# Altium PCB Sayma_AMC_RFSoC.PcbDoc (part 4 of 11)
Units mm, origin at the board's own origin, x right, y up, seen from the top; angles counter-clockwise.
Board outline 180.55 x 148.45 mm, 18 copper layers (Layer 1, Layer 2, Layer 3, Layer 4, Layer 5, Layer 6, Layer 7, Layer 8, Layer 9, Layer 10, Layer 11, Layer 12, Layer 13, Layer 14, Layer 15, Layer 16, Layer 17, Layer 18), stack 4.915 mm thick; 790 components, 796 nets, 6854 pads, 16 vias.
Unrouted connection lines stored in the file: 2880.
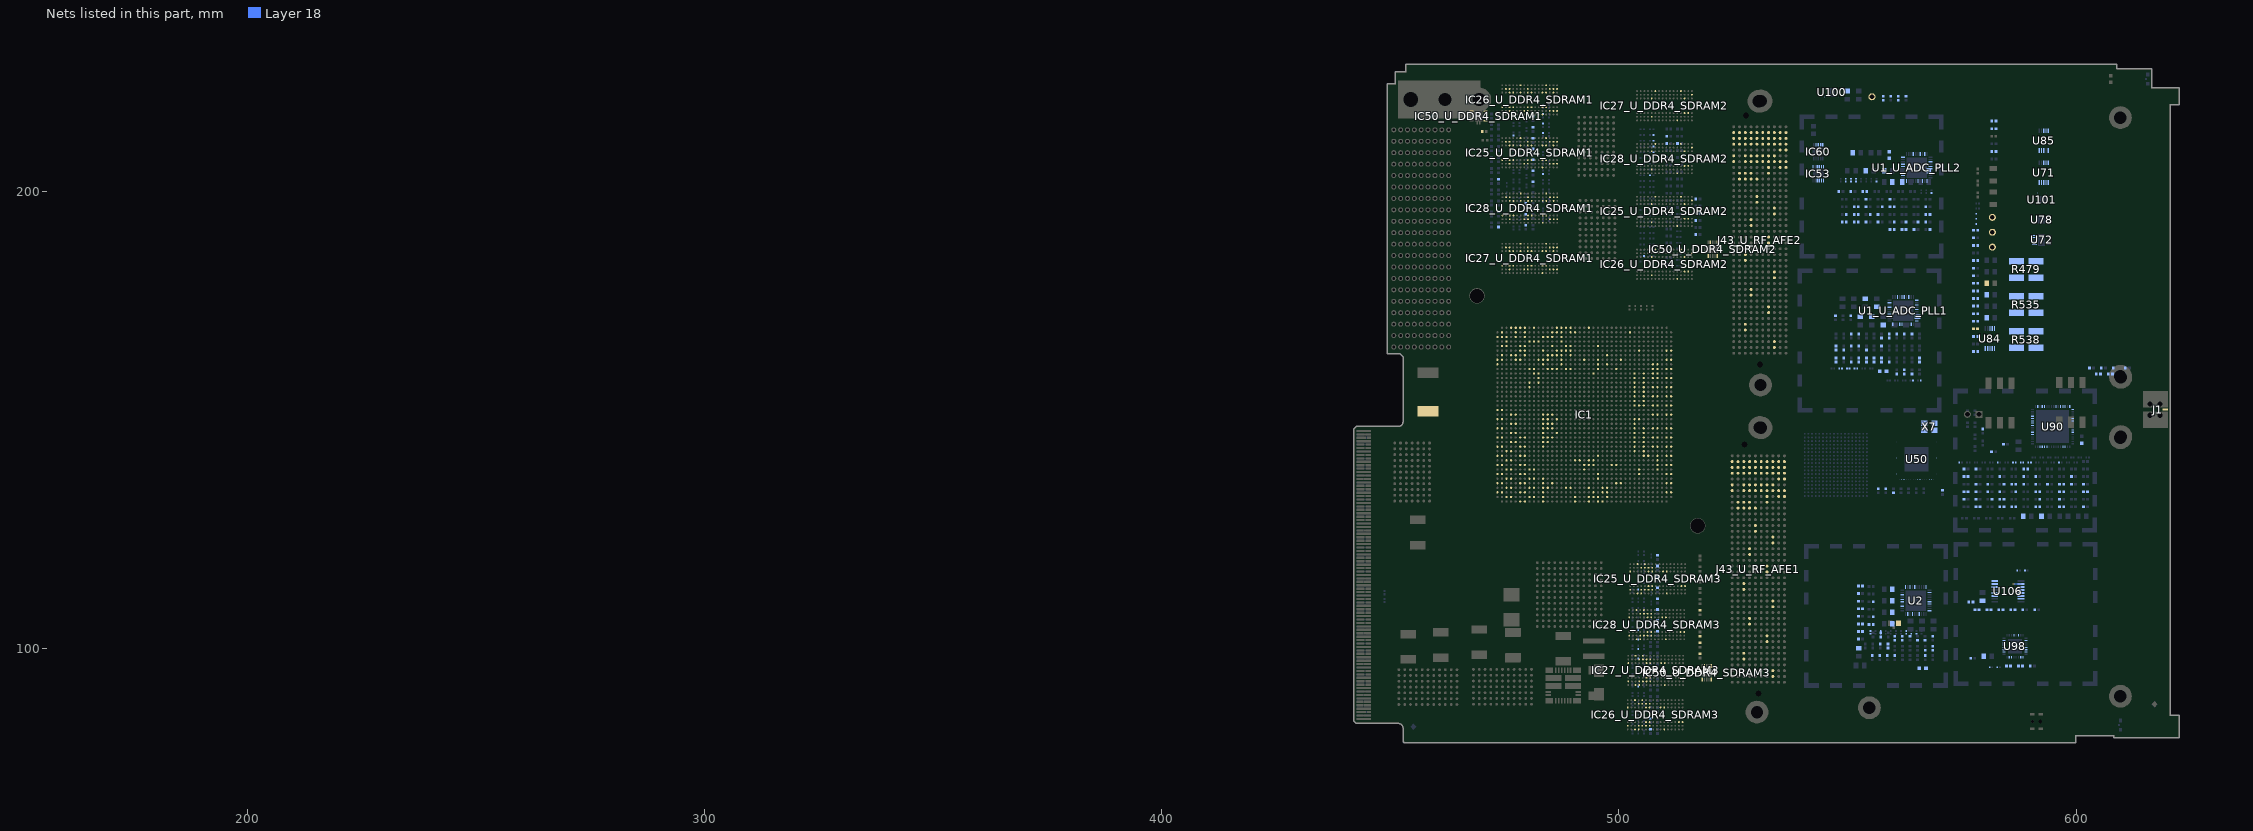
[diagram p15: the nets of this part, all layers, seen from the top]

## Part data (continued)
C108_U_DDR4_SDRAM1 C108_U_DDR4_SDRAM2 C108_U_DDR4_SDRAM3 C109_U_DDR4_SDRAM1 C109_U_DDR4_SDRAM2 C109_U_DDR4_SDRAM3 C110_U_DDR4_SDRAM1 C110_U_DDR4_SDRAM2 C110_U_DDR4_SDRAM3 C111_U_DDR4_SDRAM1 C111_U_DDR4_SDRAM2 C111_U_DDR4_SDRAM3 C112_U_DDR4_SDRAM1 C112_U_DDR4_SDRAM2 C112_U_DDR4_SDRAM3 C113_U_DDR4_SDRAM1 C113_U_DDR4_SDRAM2 C113_U_DDR4_SDRAM3 C114_U_DDR4_SDRAM1 C114_U_DDR4_SDRAM2 C114_U_DDR4_SDRAM3 C115_U_DDR4_SDRAM1 C115_U_DDR4_SDRAM2 C115_U_DDR4_SDRAM3 C116_U_DDR4_SDRAM1 C116_U_DDR4_SDRAM2 C116_U_DDR4_SDRAM3 C117_U_DDR4_SDRAM1 C117_U_DDR4_SDRAM2 C117_U_DDR4_SDRAM3 C118_U_DDR4_SDRAM1 C118_U_DDR4_SDRAM2 C118_U_DDR4_SDRAM3 C119_U_DDR4_SDRAM1 C119_U_DDR4_SDRAM2 C119_U_DDR4_SDRAM3 C120_U_DDR4_SDRAM1 C120_U_DDR4_SDRAM2 C120_U_DDR4_SDRAM3 C121_U_DDR4_SDRAM1 C121_U_DDR4_SDRAM2 C121_U_DDR4_SDRAM3 C122_U_DDR4_SDRAM1 C122_U_DDR4_SDRAM2 C122_U_DDR4_SDRAM3 C123_U_DDR4_SDRAM1 C123_U_DDR4_SDRAM2 C123_U_DDR4_SDRAM3 C124_U_DDR4_SDRAM1 C124_U_DDR4_SDRAM2 C124_U_DDR4_SDRAM3 C125_U_DDR4_SDRAM1 C125_U_DDR4_SDRAM2 C125_U_DDR4_SDRAM3 C126_U_DDR4_SDRAM1 C126_U_DDR4_SDRAM2 C126_U_DDR4_SDRAM3 C127_U_DDR4_SDRAM1 C127_U_DDR4_SDRAM2 C127_U_DDR4_SDRAM3 C128_U_DDR4_SDRAM1 C128_U_DDR4_SDRAM2 C128_U_DDR4_SDRAM3 C129_U_DDR4_SDRAM1 C129_U_DDR4_SDRAM2 C129_U_DDR4_SDRAM3 C130_U_DDR4_SDRAM1 C130_U_DDR4_SDRAM2 C130_U_DDR4_SDRAM3 C131_U_DDR4_SDRAM1 C131_U_DDR4_SDRAM2 C131_U_DDR4_SDRAM3 C132_U_DDR4_SDRAM1 C132_U_DDR4_SDRAM2 C132_U_DDR4_SDRAM3 C133_U_DDR4_SDRAM1 C133_U_DDR4_SDRAM2 C133_U_DDR4_SDRAM3 C134_U_DDR4_SDRAM1 C134_U_DDR4_SDRAM2 C134_U_DDR4_SDRAM3 C135_U_DDR4_SDRAM1 C135_U_DDR4_SDRAM2 C135_U_DDR4_SDRAM3 C136_U_DDR4_SDRAM1 C136_U_DDR4_SDRAM2 C136_U_DDR4_SDRAM3 C137_U_DDR4_SDRAM1 C137_U_DDR4_SDRAM2 C137_U_DDR4_SDRAM3 C138_U_DDR4_SDRAM1 C138_U_DDR4_SDRAM2 C138_U_DDR4_SDRAM3 C139_U_DDR4_SDRAM1 C139_U_DDR4_SDRAM2 C139_U_DDR4_SDRAM3 C140_U_DDR4_SDRAM1 C140_U_DDR4_SDRAM2 C140_U_DDR4_SDRAM3 C141_U_DDR4_SDRAM1 C141_U_DDR4_SDRAM2 C141_U_DDR4_SDRAM3 C142_U_DDR4_SDRAM1 C142_U_DDR4_SDRAM2 C142_U_DDR4_SDRAM3 C143_U_DDR4_SDRAM1 C143_U_DDR4_SDRAM2 C143_U_DDR4_SDRAM3 C144_U_DDR4_SDRAM1 C144_U_DDR4_SDRAM2 C144_U_DDR4_SDRAM3 C145_U_DDR4_SDRAM1 C145_U_DDR4_SDRAM2 C145_U_DDR4_SDRAM3 C146_U_DDR4_SDRAM1 C146_U_DDR4_SDRAM2 C146_U_DDR4_SDRAM3 C147_U_DDR4_SDRAM1 C147_U_DDR4_SDRAM2 C147_U_DDR4_SDRAM3 C148_U_DDR4_SDRAM1 C148_U_DDR4_SDRAM2 C148_U_DDR4_SDRAM3 C149_U_DDR4_SDRAM1 C149_U_DDR4_SDRAM2 C149_U_DDR4_SDRAM3 C150_U_DDR4_SDRAM1 C150_U_DDR4_SDRAM2 C150_U_DDR4_SDRAM3 C151_U_DDR4_SDRAM1 C151_U_DDR4_SDRAM2 C151_U_DDR4_SDRAM3 C152_U_DDR4_SDRAM1 C152_U_DDR4_SDRAM2 C152_U_DDR4_SDRAM3 C153_U_DDR4_SDRAM1 C153_U_DDR4_SDRAM2 C153_U_DDR4_SDRAM3 C154_U_DDR4_SDRAM1 C154_U_DDR4_SDRAM2 C154_U_DDR4_SDRAM3 C155_U_DDR4_SDRAM1 C155_U_DDR4_SDRAM2 C155_U_DDR4_SDRAM3 C156_U_DDR4_SDRAM1 C156_U_DDR4_SDRAM2 C156_U_DDR4_SDRAM3 C157_U_DDR4_SDRAM1 C157_U_DDR4_SDRAM2 C157_U_DDR4_SDRAM3 C158_U_DDR4_SDRAM1 C158_U_DDR4_SDRAM2 C158_U_DDR4_SDRAM3 C159_U_DDR4_SDRAM1 C159_U_DDR4_SDRAM2 C159_U_DDR4_SDRAM3 C160_U_DDR4_SDRAM1 C160_U_DDR4_SDRAM2 C160_U_DDR4_SDRAM3 C161_U_DDR4_SDRAM1 C161_U_DDR4_SDRAM2 C161_U_DDR4_SDRAM3 C162_U_DDR4_SDRAM1 C162_U_DDR4_SDRAM2 C162_U_DDR4_SDRAM3 C163_U_DDR4_SDRAM1 C163_U_DDR4_SDRAM2 C163_U_DDR4_SDRAM3 C164_U_DDR4_SDRAM1 C164_U_DDR4_SDRAM2 C164_U_DDR4_SDRAM3 C165_U_DDR4_SDRAM1 C165_U_DDR4_SDRAM2 C165_U_DDR4_SDRAM3 C166_U_DDR4_SDRAM1 C166_U_DDR4_SDRAM2 C166_U_DDR4_SDRAM3 C167_U_DDR4_SDRAM1 C167_U_DDR4_SDRAM2 C167_U_DDR4_SDRAM3 C168_U_DDR4_SDRAM1 C168_U_DDR4_SDRAM2 C168_U_DDR4_SDRAM3 C173_U_DDR4_SDRAM1 C173_U_DDR4_SDRAM2 C173_U_DDR4_SDRAM3 C286_U_DDR4_SDRAM1 C286_U_DDR4_SDRAM2 C286_U_DDR4_SDRAM3: library part CC0201_100NF_6.3V_10%_X5R, "Non-polarised capacitor", Case=0201, Manufacturer=GENERIC, Manufacturer1 ComponentHeight=0.33mm, Manufacturer1 Example=AVX, Manufacturer1 Part Number=02016D104KAT2A, Tolerance=±10%, Voltage=6.3V, Author="CERN DEM JLC", Component Type=Standard, CreateDate=03/12/2007, HelpURL=\\cern.ch\dfs\Applications\Altium\Datasheets\CC0201_X5R_AVX.pdf, LatestRevisionDate=03/12/2007, Manufacturer Part Number=CC0201_100NF_6.3V_10%_X5R, Mounted=Yes, Part Description="SMD Multilayer Chip Ceramic Capacitor", Part Number=CC0201_100NF_6.3V_10%_X5R, Pin Count=2, Sense=No, SMD=Yes, Socket=No, Status="Not Recommended", TC=X5R
C255_U_DDR4_SDRAM1 C255_U_DDR4_SDRAM2 C255_U_DDR4_SDRAM3 C256_U_DDR4_SDRAM1 C256_U_DDR4_SDRAM2 C256_U_DDR4_SDRAM3 C257_U_DDR4_SDRAM1 C257_U_DDR4_SDRAM2 C257_U_DDR4_SDRAM3 C258_U_DDR4_SDRAM1 C258_U_DDR4_SDRAM2 C258_U_DDR4_SDRAM3 C259_U_DDR4_SDRAM1 C259_U_DDR4_SDRAM2 C259_U_DDR4_SDRAM3 C260_U_DDR4_SDRAM1 C260_U_DDR4_SDRAM2 C260_U_DDR4_SDRAM3 C261_U_DDR4_SDRAM1 C261_U_DDR4_SDRAM2 C261_U_DDR4_SDRAM3 C494_U_DDR4_SDRAM1 C494_U_DDR4_SDRAM2 C494_U_DDR4_SDRAM3 C495_U_DDR4_SDRAM1 C495_U_DDR4_SDRAM2 C495_U_DDR4_SDRAM3 C496_U_DDR4_SDRAM1 C496_U_DDR4_SDRAM2 C496_U_DDR4_SDRAM3: library part CC0402_1UF_16V_10%_X5R, "Non-polarised capacitor", Case=0402, Manufacturer=GENERIC, Manufacturer1 ComponentHeight=0.55mm, Manufacturer1 Example=TDK, Manufacturer1 Part Number=C1005X5R1C105KT, Tolerance=±10%, Voltage=16V, Author="CERN DEM JLC", Component Type=Standard, CreateDate=25/10/2012, HelpURL=\\cern.ch\dfs\Applications\Altium\Datasheets\CC0402_X5R_TDK_C.pdf, LatestRevisionDate=25/10/2012, Manufacturer Part Number=CC0402_1UF_16V_10%_X5R, Mounted=Yes, Part Description="SMD Multilayer Chip Ceramic Capacitor", Part Number=CC0402_1UF_16V_10%_X5R, Pin Count=2, Sense=No, SMD=Yes, Socket=No, Status=Preferred, TC=X5R
C344 C345 C954 C955 C960_U_ADC_PLL1 C960_U_ADC_PLL2 C961_U_ADC_PLL1 C961_U_ADC_PLL2 C962_U_ADC_PLL1 C962_U_ADC_PLL2 C963_U_ADC_PLL1 C963_U_ADC_PLL2 C964 C965 C966 C967 C968 C969 C970 C971 C972 C973 C974 C975 C976 C977 C978 C979 C980 C981 C982 C983 C984 C985 C986 C987 C988 C989 C993: library part CAP_NP, Dielectric=X5R, Tolerance=10%, Voltage=16V, Barcode=100164, Datasheet=\\XSJ-SMB\AFX\AFX\BOARD_PROJECTS\LIBRARY\\DATASHEETS\CAPACITOR\TDKMLCCCapRange.pdf, Device=0_01UF_0201, MANF=TDK, MANF_P/N=C0603X5R1C103K030BA, OWNER=3709, PartType=CERAMIC, PRICE=0, RoHS=Yes
C361 C363 C456 C572 C575 C577 C578 C606 C607 C608 C609 C636_U_ADC_PLL1 C636_U_ADC_PLL2 C638_U_ADC_PLL1 C638_U_ADC_PLL2 C639_U_ADC_PLL1 C639_U_ADC_PLL2 C643_U_ADC_PLL1 C643_U_ADC_PLL2 C645_U_ADC_PLL1 C645_U_ADC_PLL2 C648_U_ADC_PLL1 C648_U_ADC_PLL2 C649_U_ADC_PLL1 C649_U_ADC_PLL2 C650_U_ADC_PLL1 C650_U_ADC_PLL2 C651_U_ADC_PLL1 C651_U_ADC_PLL2 C652_U_ADC_PLL1 C652_U_ADC_PLL2 C664_U_ADC_PLL1 C664_U_ADC_PLL2 C665_U_ADC_PLL1 C665_U_ADC_PLL2 C670 C672 C674 C678 C680 C719 C720 C721 C722 C723 C730 C731 C734 C737 C738 C739 C740 C741 C742 C743 C744 C745 C746 C747 C748 C749 C750 C754 C758 C759 C761 C762 C764 C766 C767 C769 C770 C771 C775 C777 C779 C780 C781 C783 C784 C814 C815 C823 C829 C873 C874 C952 C992: library part CAP_NP, Dielectric=X5R, Tolerance=10%, Voltage=25V, PartType=CERAMIC, RoHS=Yes
  C361 C363 C577 C578 C606 C607 C608 C609: Barcode=100040, Datasheet=\\XSJ-SMB\AFX\AFX\BOARD_PROJECTS\LIBRARY\DATASHEETS\CAPACITOR\DLMK_E.PDF, Device=0_1UF_0402, MANF="TAIYO YUDEN", MANF_P/N=TMK105BJ104KV-F, OWNER=4001, PRICE=0.01
  C456 C572 C575 C829: Barcode=100001, Datasheet=\\XSJ-SMB\AFX\AFX\BOARD_PROJECTS\LIBRARY\\DATASHEETS\CAPACITOR\CX5R.PDF, Device=0_01UF_0402, MANF=AVX, MANF_P/N=04023D103KAT2A, OWNER=4001, PRICE=0
  C636_U_ADC_PLL1 C636_U_ADC_PLL2 C638_U_ADC_PLL1 C638_U_ADC_PLL2 C639_U_ADC_PLL1 C639_U_ADC_PLL2 C643_U_ADC_PLL1 C643_U_ADC_PLL2 C645_U_ADC_PLL1 C645_U_ADC_PLL2 C648_U_ADC_PLL1 C648_U_ADC_PLL2 C649_U_ADC_PLL1 C649_U_ADC_PLL2 C650_U_ADC_PLL1 C650_U_ADC_PLL2 C651_U_ADC_PLL1 C651_U_ADC_PLL2 C652_U_ADC_PLL1 C652_U_ADC_PLL2 C664_U_ADC_PLL1 C664_U_ADC_PLL2 C665_U_ADC_PLL1 C665_U_ADC_PLL2 C670 C672 C674 C678 C680 C719 C720 C721 C722 C723 C730 C731 C734 C737 C738 C739 C740 C741 C742 C743 C744 C745 C746 C747 C748 C749 C750 C754 C758 C759 C761 C762 C764 C766 C767 C769 C770 C771 C775 C779 C780 C781 C783 C784 C814 C815 C823 C952 C992: Barcode=100040, Datasheet=\\XSJ-SMB\AFX\AFX\BOARD_PROJECTS\LIBRARY\DATASHEETS\CAPACITOR\DLMK_E.PDF, Device=0_1UF_0402, DIST=DIGIKEY, DIST_P/N=587-1456-1-ND, DXDB_LIBNAME=CAPACITORS, MANF="TAIYO YUDEN", MANF_P/N=TMK105BJ104KV-F, OWNER=4001, PART_TYPE=CERAMIC, PKG_TYPE=0402, PRICE=0.01
  C777: Barcode=100156, Datasheet=\\XSJ-SMB\AFX\AFX\BOARD_PROJECTS\LIBRARY\\DATASHEETS\CAPACITOR\mlcc_selection_guide_en.pdf, Device=0_033UF_0402, MANF=TDK, MANF_P/N=C1005X5R1E333K050BA, OWNER=10460, PRICE=0
  C873 C874: Barcode=100026, Datasheet=\\XSJ-SMB\AFX\AFX\BOARD_PROJECTS\LIBRARY\DATASHEETS\CAPACITOR\C02E.PDF, Device=22UF_1206, MANF=MURATA, MANF_P/N=GRM31CR61E226KE15L, OWNER=3709, PRICE=0.17
C362 C364 C564 C569 C653_U_ADC_PLL1 C653_U_ADC_PLL2 C655_U_ADC_PLL1 C655_U_ADC_PLL2 C662_U_ADC_PLL1 C662_U_ADC_PLL2 C724 C726 C733 C735 C736 C753 C782 C812 C822 C824 C991: library part CAP_NP, Dielectric=X5R, Tolerance=10%, Voltage=35V, Barcode=100192, Datasheet=\\XSJ-SMB\AFX\AFX\BOARD_PROJECTS\LIBRARY\DATASHEETS\CAPACITOR\GRM155R6YA105KE11D.pdf, Device=1UF_0402, MANF=MURATA, MANF_P/N=GRM155R6YA105KE11D, OWNER=3709, PartType=CERAMIC, PRICE=0.04, RoHS=Yes
C457 C485 C567 C570 C573 C574 C634_U_ADC_PLL1 C634_U_ADC_PLL2 C635_U_ADC_PLL1 C635_U_ADC_PLL2 C637_U_ADC_PLL1 C637_U_ADC_PLL2 C641_U_ADC_PLL1 C641_U_ADC_PLL2 C642_U_ADC_PLL1 C642_U_ADC_PLL2 C644_U_ADC_PLL1 C644_U_ADC_PLL2 C654_U_ADC_PLL1 C654_U_ADC_PLL2 C656_U_ADC_PLL1 C656_U_ADC_PLL2 C660_U_ADC_PLL1 C660_U_ADC_PLL2 C661_U_ADC_PLL1 C661_U_ADC_PLL2 C663_U_ADC_PLL1 C663_U_ADC_PLL2 C668 C669 C671 C676 C677 C679 C725 C727 C732 C751 C752 C763 C774 C810 C811 C813 C821 C827 C828 C953 C990: library part CAP_NP, Dielectric=X5R, Tolerance=10%, Voltage=10V, PartType=CERAMIC, RoHS=Yes
  C457 C485 C567 C570 C573 C574 C827: Barcode=100024, Datasheet=\\XSJ-SMB\AFX\AFX\BOARD_PROJECTS\LIBRARY\\DATASHEETS\CAPACITOR\MURATA_GRM21BR61A106KE19L.pdf, Device=10UF_0805, MANF=MURATA, MANF_P/N=GRM21BR61A106KE19L, OWNER=3670, PRICE=0.04
  C634_U_ADC_PLL1 C634_U_ADC_PLL2 C635_U_ADC_PLL1 C635_U_ADC_PLL2 C637_U_ADC_PLL1 C637_U_ADC_PLL2 C641_U_ADC_PLL1 C641_U_ADC_PLL2 C642_U_ADC_PLL1 C642_U_ADC_PLL2 C644_U_ADC_PLL1 C644_U_ADC_PLL2 C654_U_ADC_PLL1 C654_U_ADC_PLL2 C660_U_ADC_PLL1 C660_U_ADC_PLL2 C661_U_ADC_PLL1 C661_U_ADC_PLL2 C663_U_ADC_PLL1 C663_U_ADC_PLL2 C668 C669 C671 C676 C677 C679 C725 C732 C751 C752 C763 C774 C810 C811 C813 C821 C953 C990: Barcode=100024, Datasheet=\\XSJ-SMB\AFX\AFX\BOARD_PROJECTS\LIBRARY\\DATASHEETS\CAPACITOR\MURATA_GRM21BR61A106KE19L.pdf, Device=10UF_0805, DIST=DIGIKEY, DIST_P/N=490-1709-2-ND, DXDB_LIBNAME=CAPACITORS, MANF=MURATA, MANF_P/N=GRM21BR61A106KE19L, OWNER=3670, PART_TYPE=CERAMIC, PKG_TYPE=805, PRICE=0.04
  C656_U_ADC_PLL1 C656_U_ADC_PLL2 C727: Datasheet=\\XSJ-SMB\AFX\AFX\BOARD_PROJECTS\LIBRARY\\DATASHEETS\CAPACITOR\GRM155R61A684KE15-01.pdf, Device=0_68UF_10V_0402, MANF=AVX, MANF_P/N=0402ZD683KAT2A, OWNER=3709, PRICE=0.02
  C828: Barcode=100057, Datasheet=\\XSJ-SMB\AFX\AFX\BOARD_PROJECTS\LIBRARY\DATASHEETS\CAPACITOR\E413_C.PDF, Device=0_047UF_0402, MANF=TDK, MANF_P/N=C1005X5R1A473K, OWNER=10460, PRICE=0
C632_U_ADC_PLL1 C632_U_ADC_PLL2 C640_U_ADC_PLL1 C640_U_ADC_PLL2 C646_U_ADC_PLL1 C646_U_ADC_PLL2 C658_U_ADC_PLL1 C658_U_ADC_PLL2 C666 C673 C675 C682 C718_U_ADC_PLL1 C718_U_ADC_PLL2 C765 C772 C778 C808: library part CAP_NP, Dielectric=X7R, Tolerance=10%, Voltage=50V, PartType=CERAMIC, RoHS=Yes
  C632_U_ADC_PLL1 C632_U_ADC_PLL2 C640_U_ADC_PLL1 C640_U_ADC_PLL2 C646_U_ADC_PLL1 C646_U_ADC_PLL2 C666 C673 C675 C682 C718_U_ADC_PLL1 C718_U_ADC_PLL2: Barcode=100119, Datasheet=\\XSJ-SMB\AFX\AFX\BOARD_PROJECTS\LIBRARY\\DATASHEETS\CAPACITOR\UPY-GPHC_X7R_6.3V-to-50V_8.pdf, Device=100PF_0402, MANF=YAGEO, MANF_P/N=CC0402KRX7R9BB101, OWNER=6176, PRICE=0
  C658_U_ADC_PLL1 C658_U_ADC_PLL2 C808: Barcode=100158, Datasheet=\\XSJ-SMB\AFX\AFX\BOARD_PROJECTS\LIBRARY\\DATASHEETS\CAPACITOR\GRM155R71H152KA01D.pdf, Device=1800PF_0402, DIST=DIGIKEY, DIST_P/N=399-3074-2-ND, DXDB_LIBNAME=Capacitors, MANF=MURATA, MANF_P/N=GRM155R71H182KA01D, OWNER=3709, PART_TYPE=CERAMIC, PKG_TYPE=0402, PRICE=0
  C765: Barcode=100013, Datasheet=\\XSJ-SMB\AFX\AFX\BOARD_PROJECTS\LIBRARY\\DATASHEETS\CAPACITOR\GRM155R71H102KA01D.pdf, Device=1000PF_0402, MANF=MURATA, MANF_P/N=GRM155R71H102KA01D, OWNER=3709, PRICE=0
  C772: Barcode=100095, Datasheet=\\XSJ-SMB\AFX\AFX\BOARD_PROJECTS\LIBRARY\\DATASHEETS\CAPACITOR\GRM155R71H222KA01D.pdf, Device=2200PF_0402, MANF=MURATA, MANF_P/N=GRM155R71H222KA01D, OWNER=3709, PRICE=0
  C778: Barcode=100107, Datasheet=\\XSJ-SMB\AFX\AFX\BOARD_PROJECTS\LIBRARY\\DATASHEETS\CAPACITOR\cx7r.pdf, Device=680PF_0402, MANF=AVX, MANF_P/N=04025C681KAT2A, OWNER=3709, PRICE=0.02
C633_U_ADC_PLL1 C633_U_ADC_PLL2 C647_U_ADC_PLL1 C647_U_ADC_PLL2 C659_U_ADC_PLL1 C659_U_ADC_PLL2 C667 C681 C768 C776 C809 C948_U_ADC_PLL1 C948_U_ADC_PLL2 C949_U_ADC_PLL1 C949_U_ADC_PLL2 C1018_U_ADC_PLL1 C1018_U_ADC_PLL2 C1019_U_ADC_PLL1 C1019_U_ADC_PLL2 C1022 C1023 C1024 C1025 C1031 C1034: library part CAP_NP, Barcode=NonBom, Device=DNP_C_0402, Dielectric=DNP, MANF=DNP, MANF_P/N=DNP, OWNER=3709, PartType=CERAMIC, PRICE=0, RoHS=Yes, Tolerance=DNP, Voltage=DNP
C657_U_ADC_PLL1 C657_U_ADC_PLL2 C728: library part CAP_NP, Dielectric="C0G, NP0", Tolerance=5%, Voltage=50V, Datasheet=\\XSJ-SMB\AFX\AFX\BOARD_PROJECTS\LIBRARY\\DATASHEETS\CAPACITOR\KEM_C1022_C0G_AUTO_SMD.pdf, Device=390PF_0402, MANF=KEMET, MANF_P/N=C0402C391J5GACAUTO, OWNER=3709, PartType=CERAMIC, PRICE=0, RoHS=Yes
C755 C819: library part CC0201_100NF_6.3V_10%_X5R, "Non-polarised capacitor"
C773: library part CAP_NP, Dielectric=NPO, Tolerance=5%, Voltage=50V, Barcode=100065, Datasheet=\\XSJ-SMB\AFX\AFX\BOARD_PROJECTS\LIBRARY\\DATASHEETS\CAPACITOR\GRM1555C1H180JA01D.pdf, Device=18PF_0402, MANF=MURATA, MANF_P/N=GRM1555C1H180JA01D, OWNER=3709, PartType=CERAMIC, PRICE=0, RoHS=Yes
C920: $$NotCommonProperty_Case=0201, $$NotCommonProperty_General Part Number=CC0201_100NF_6.3V_10%_X5R, $$NotCommonProperty_Manufacturer1 Example=AVX, $$NotCommonProperty_Manufacturer1 Part Number=02016D104KAT2A, $$NotCommonProperty_Voltage=6.3V, Manufacturer=GENERIC, Part Name="Capacitor - non polarized CAPC0603X33N", Tolerance=±10%, $$Internal_Resolution=00001mm, $$NotCommonProperty_Pin Count=2, $$NotCommonProperty_SMD=Yes, $$NotCommonProperty_Status="Not Recommended", $$NotCommonProperty_TC=X5R, Cell Name=CAPC0603X33N, CmpIndex=316, DXDB_LIBNAME="Capacitors SMD", Manufacturer Part Number=CC0201_100NF_6.3V_10%_X5R, Orientation="1 = 1", Part Description="SMD Multilayer Chip Ceramic Capacitor", Part Number="Capacitor - non polarized CAPC0603X33N", Ref Designator=C920, SymIndex=331
C1006_U_ADC_PLL1 C1006_U_ADC_PLL2 C1007_U_ADC_PLL1 C1007_U_ADC_PLL2 C1008_U_ADC_PLL1 C1008_U_ADC_PLL2 C1009_U_ADC_PLL1 C1009_U_ADC_PLL2 C1014 C1015 C1016 C1017: library part CAP_NP, Dielectric=X7R, Tolerance=10%, Voltage=16V, Datasheet=\\XSJ-SMB\AFX\AFX\BOARD_PROJECTS\LIBRARY\\DATASHEETS\CAPACITOR\CGA1A2X7R1C101K030BA.pdf, Device=100PF_0201, MANF=TDK, MANF_P/N=CGA1A2X7R1C101K030BA, OWNER=3709, PartType=CERAMIC, PRICE=0, RoHS=Yes
DS34_U_ADC_PLL1 DS34_U_ADC_PLL2 DS44 DS45: library part LED, "LED 565NM GREEN DIFF 0603 SMD", Power=2.2-20MA, Voltage=2.2V, Barcode=300021, Datasheet=\\XSJ-SMB\AFX\AFX\BOARD_PROJECTS\LIBRARY\\DATASHEETS\DISPLAY\SML-LX0603GW-TR.PDF, Device=LED-GRN-SMT_LED_0603, DIST=DIGIKEY, DIST_P/N=67-1549-1-ND, DXDB_LIBNAME=DISPLAY, MANF=LUMEX, MANF_P/N=SML-LX0603GW-TR, OWNER=4001, PART_TYPE=LED, PartType=LED, PKG_TYPE=LED_0603, PRICE=0.1, RoHS=Yes
F1: library part FUSR_TYCO_SMD150F-2, "Fuse", Manufacturer="TYCO ELECTRONICS", Manufacturer Part Number=SMD150F-2, Author="CERN DEM JLC", ComponentHeight=3mm, Component Type=Standard, CreateDate=2010-03-17, Family="Fuses Resettable", HelpURL=\\cern.ch\dfs\Applications\Altium\Datasheets\FUSR_TYCO_SMD150F-2.pdf, LatestRevisionDate=2010-03-17, Mounted=Yes, PackageDescription="PolySwitch, 2-Leads, Body 8.7x6.35mm Nominal", Part Description="PolySwitch® PTC Overcurrent Protection Device", Part Number=FUSR_TYCO_SMD150F-2, Pin Count=2, SMD=Yes, Socket=No, Table=Fuses
FP2: "RTM Frontpanel"
FTG3 FTG5 FTG7: library part FIDUCIAL_TARGET_S100-200, "Fiducial Target"
IC1: "Zynq UltraScale+ RFSoC, Quad-Core ARM® Cortex™-A53 MPCore™ up to 1.5GHz, 214 PS I/O, 299 HP I/O, 48 HD I/O, 1517-Pin BGA", Case=BGA1517, Manufacturer=XILINX, Author="CERN DEM MR", Bonding=No, ComponentHeight=4.01mm, ComponentLink1Description=Package/Pinout, ComponentLink1URL=\\cern.ch\dfs\Applications\Altium\Datasheets\XCZU27DR-1FSVG1517E_Package-Pinout.pdf, ComponentLink2Description=Pinout, ComponentLink2URL=\\cern.ch\dfs\Applications\Altium\Datasheets\XCZU27DR-1FSVG1517E_Pinout.pdf, Component Type=Standard, CreateDate=02/05/2018, Device=XCZU27DR-1FSVG1517E, HelpURL=\\cern.ch\dfs\Applications\Altium\Datasheets\XCZU27DR-1FSVG1517E.pdf, LatestRevisionDate=02/05/2018, Manufacturer Part Number=XCZU27DR-1FSVG1517E, Mounted=Yes, PackageDescription="BGA, 1.00mm Pitch, Square; 1517 Pin, 39 Columns X 39 Rows, 40.00mm X 40.00mm X 4.01mm H", Part Description="Zynq UltraScale+ RFSoC, Quad-Core ARM® Cortex™-A53 MPCore™ up to 1.5GHz, 214 PS I/O, 299 HP I/O, 48 HD I/O, 1517-Pin BGA", Part Number=XCZU27DR-1FSVG1517E, Pin Count=1517, PressFit=No, Sense=No, SMD=Yes, Socket=No
IC2: "4.5V-16V to 0.5V-1.8V, Dual 18A or Single 36A uModule Regulator with Digital Power System Management", Case=BGA144, Manufacturer="LINEAR TECHNOLOGY", Author="CERN DEM JLC", Bonding=No, ComponentHeight=5.21mm, Component Type=Standard, CreateDate=25/04/2018, Device=LTM4677IY#PBF, HelpURL=\\cern.ch\dfs\Applications\Altium\Datasheets\LTM4677IY#PBF.pdf, LatestRevisionDate=25/04/2018, Manufacturer Part Number=LTM4677IY#PBF, Mounted=Yes, PackageDescription="BGA, 1.27mm Pitch, Square; 144 Pin, 12 Columns X 12 Rows,16.00mm X 16.00mm X 5.21mm H", Part Description="4.5V-16V to 0.5V-1.8V, Dual 18A or Single 36A uModule Regulator with Digital Power System Management", Part Number=LTM4677IY#PBF, Pin Count=144, PressFit=No, Sense=No, SMD=Yes, Socket=No
IC25_U_DDR4_SDRAM1 IC25_U_DDR4_SDRAM2 IC25_U_DDR4_SDRAM3 IC26_U_DDR4_SDRAM1 IC26_U_DDR4_SDRAM2 IC26_U_DDR4_SDRAM3 IC27_U_DDR4_SDRAM1 IC27_U_DDR4_SDRAM2 IC27_U_DDR4_SDRAM3 IC28_U_DDR4_SDRAM1 IC28_U_DDR4_SDRAM2 IC28_U_DDR4_SDRAM3: "+1.2V, 8Gb (512 Meg x 16 x 8 Banks) DDR4 SDRAM", Case=BGA96, Manufacturer="MICRON TECHNOLOGY", Author="CERN DEM MR", Bonding=No, ComponentHeight=1.2mm, Component Type=Standard, CreateDate=12/02/2016, Device=MT40A512M16HA-083E:A, HelpURL=\\cern.ch\dfs\Applications\Altium\Datasheets\MT40A512M16HA-083E-A.pdf, LatestRevisionDate=03/06/2016, Manufacturer Part Number=MT40A512M16HA-083E:A, Mounted=Yes, PackageDescription="BGA 0.8mm, Pitch, Square 96 Pin, 9 Columns x 16 Rows, Body 14mm X 9mm X 1.2mm H", Part Description="+1.2V, 8Gb (512 Meg x 16) DDR4 SDRAM", Part Number=MT40A512M16HA-083E:A, Pin Count=96, PressFit=No, Sense=No, SMD=Yes, Socket=No
IC50_U_DDR4_SDRAM1 IC50_U_DDR4_SDRAM2 IC50_U_DDR4_SDRAM3: "Sink/Source DDR Termination Regulator", Case=SON10, Manufacturer="TEXAS INSTRUMENTS", Author="CERN DEM JLC", Bonding=No, ComponentHeight=1mm, Component Type=Standard, CreateDate=03/02/2010, Device=TPS51200DRCT, HelpURL=\\cern.ch\dfs\Applications\Altium\Datasheets\TPS51200DRCT.pdf, LatestRevisionDate=06/11/2013, Manufacturer Part Number=TPS51200DRCT, Mounted=Yes, PackageDescription="SON, 0.50mm Pitch, 10-pin, 3.00mm W  X 3.00mm L X 1.00mm Height, (w/thermal tab 1.75 X 2.50 mm)", Part Description="3.3V Sink/Source DDR Termination Regulator", Part Number=TPS51200DRCT, Pin Count=11, PressFit=No, Sense=No, SMD=Yes, Socket=No
IC52 IC54: "Part Number = LTM8049"
IC53: $$NotCommonProperty_Case=TSSOP16, Manufacturer="TEXAS INSTRUMENTS", $$Internal_Resolution=00001mm, $$NotCommonProperty_ComponentHeight=1.2mm, $$NotCommonProperty_Device=SN74CB3T3257PW, $$NotCommonProperty_Footprint Ref=SOP65P640X120-16N, $$NotCommonProperty_Pin Count=16, $$NotCommonProperty_SMD=Yes, Cell Name=SOP65P640X120-16N, CmpIndex=262, DXDB_LIBNAME=IC_Standard_Logic, Manufacturer Part Number=SN74CB3T3257PW, Orientation="4 = 4", PackageDescription="SOP, 0.65mm pitch; 16 pin, 4.40mm W X 5.00mm L X 1.20mm H body IPC Medium Density", Part Description="4-Bit 1-of-2 FET Multiplexer/Demultiplexer 2.5V/3.3V Low-Voltage Bus Switch 5V Tolerant Shifter", Part Name=SN74CB3T3257PW, Part Number=SN74CB3T3257PW, Ref Designator=IC53, SymIndex=1801
IC60: $$NotCommonProperty_Case=QFN12, Manufacturer="TEXAS INSTRUMENTS", $$Internal_LastIdUsed=81, $$Internal_Resolution=00001mm, $$NotCommonProperty_Author="CERN DEM JLC", $$NotCommonProperty_Bonding=No, $$NotCommonProperty_Comment=Device, $$NotCommonProperty_ComponentHeight=0.55mm, $$NotCommonProperty_Component Kind=Standard, $$NotCommonProperty_Component Type=Standard, $$NotCommonProperty_CreateDate=2014-10-27, $$NotCommonProperty_Device=TXB0304RUTR, $$NotCommonProperty_Footprint Ref="TEXAS_RUT (R-PUQFN-N12)", $$NotCommonProperty_HelpURL=\\cern.ch\dfs\Applications\Altium\Datasheets\TXB0304RUTR.pdf, $$NotCommonProperty_LatestRevisionDate=2014-10-28, $$NotCommonProperty_Mounted=Yes, $$NotCommonProperty_Pin Count=12, $$NotCommonProperty_PressFit=No, $$NotCommonProperty_Sense=No, $$NotCommonProperty_SMD=Yes, $$NotCommonProperty_Socket=No, Cell Name=TEXAS_RUT__R-PUQFN-N12_, CmpIndex=257, DXDB_LIBNAME=IC_Analog_Interface, Manufacturer Part Number=TXB0304RUTR, Orientation="4 = 4", PackageDescription="SON, TEXAS RUT (R-PUQFN-N12), 0.50mm Pitch, 12-pin, 1.70mm W  X 2.00mm L X 0.55mm Height", Part Description="4-bit Bidirectional Auto-direction Sensing Translator with Fully Symmetric 0.9V to 3.6V Range", Part Name=TXB0304RUTR, Part Number=TXB0304RUTR, Ref Designator=IC60, SymIndex=1738